# KiCad board vme-wren.kicad_pcb (continued)
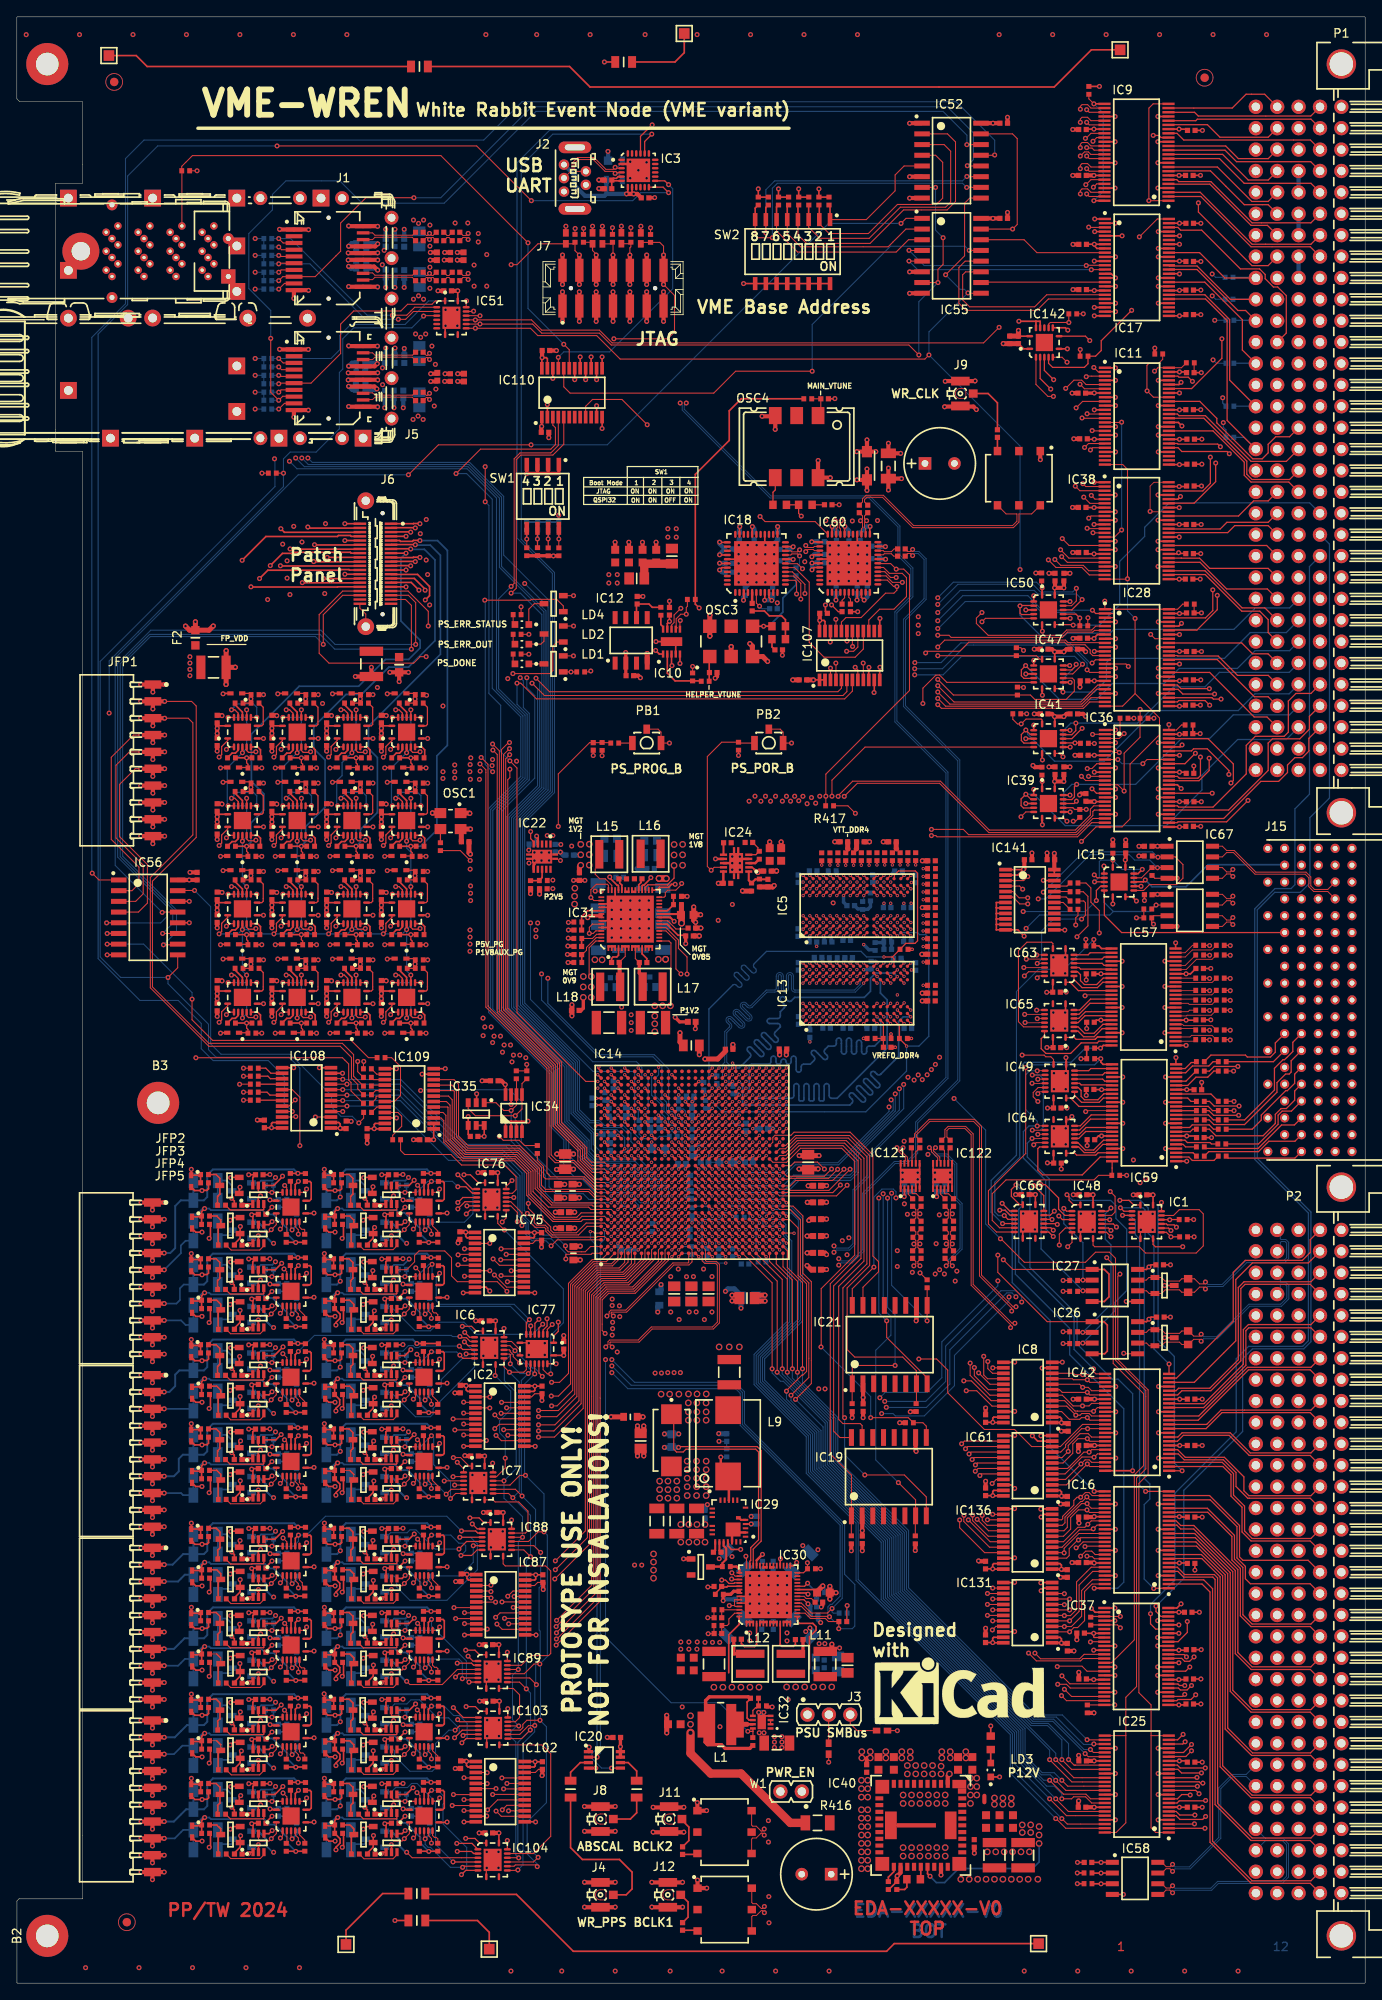
[diagram p0: board, top side]
## Routing (per net, layer and track width the routed paths; a pad name or vN(x,y) marks a point on that pad's centre or on a via; arc(x,y) is an arc through that point) (continued)
  Top Layer w0.3: IC24.8 IC24.11 85.92,133.49 IC24.4 ; C165.1 90.92,158.3 90.92,157.68 v2(90.92,157.67) ; IC20.4 v2(68.76,25.54) ; IC29.2 85.42,53.51 IC29.26 84.94,53.74 IC29.23 ; IC22.6 61.38,132.75 61.46,132.83 61.46,133.08 62.13,133.75 IC22.11 ; 88.83,167.57 88.33,168.07 v2(87.83,168.57) 88.83,169.57 ; IC3.2 73.06,215.99 v2(73.81,215.24) ; 96.53,39.39 95.87,39.39
  Top Layer w0.4: 93.88,96.67 C104.1 94.08,96.67 ; v1(106.25,112.17) 105.76,112.17 R115.1 ; SW1.1 64.37,179.25 63.1,179.25 ; R163.1 60.57,169.48 R160.1 ; 66.3,130.97 66.78,130.97 C340.1 66.81,130.94 67.33,130.94 ; SW1.2 63.1,179.25 ; 63.1,179.25 61.83,179.25 ; 61.83,179.25 v2(60.56,179.25) SW1.4 ; 61.83,179.25 61.83,180.34 ; C276.2 95.7,44.83 v2(95.53,44.66) ; 89.51,32.79 89.01,32.79 ; 84.11,110.77 84.19,110.68 ; R315.2 135.14,194.13 v2(135.15,194.13) ; 64.39,93.25 64.4,93.24 ; 66.13,93.24 66.14,93.25 ; R217.1 65.53,124.04 v2(65.49,124.08) ; C78.1 v2(74.35,164.65) ; v3(78.18,114.67) 78.71,114.14 C67.1 ; C148.2 75.07,211.99 75.74,211.99 v3(75.75,212) ; 66.24,85.86 66.25,85.87 ; v2(97.29,46.36) 96.56,46.36 v2(96.56,45.6) ; 65.92,115.54 C341.1 65.92,115.44 ; R194.2 103.81,112.19 v1(103.81,112.7) ; R216.1 65.47,121.19 v2(65.46,121.19) ; D10.1 80.07,50.38 v2(79.18,50.38) ; v2(65.43,123.14) 66,123.14 ; 90.57,110.75 90.58,110.74 ; v2(65.5,125.04) C288.2 ; C224.1 v1(104.32,111.12) ; C292.1 66.16,122.13 65.39,122.13 v2(65.39,122.14)
  Top Layer w0.5: C17.1 71.06,171.07 v2(71.05,171.09) ; C517.2 37.33,140.04 v2(37.37,139.99) ; C532.1 v2(23.79,125.29) ; v2(100.5,67.14) C159.2 ; v2(115.05,59.59) C376.2 115.05,58.79 ; v2(71.06,11.99) 71.04,11.96 J4.2 67.44,11.96 v2(67.41,11.99) ; C528.1 v2(36.79,125.29) ; C75.1 83.15,155.16 v2(82.94,154.94) ; 34.62,208.21 J1.1 31.23,208.21 v2(31.2,208.24) ; IC57.4 v2(137.78,125.47) 137.8,125.49 ; C15.1 75.93,171.07 v2(75.91,171.09) ; 101,26.74 100.93,26.66 C211.1 ; v2(123.95,48.19) C536.2 124.76,48.19 ; C166.2 v2(120.83,150.7) ; C141.2 v2(122.57,144.41) ; v2(24.37,139.99) 24.33,140.04 C521.2 ; v2(37.37,119) 37.33,119.04 C382.2 ; C539.2 30.83,150.54 v2(30.87,150.49) ; C529.2 43.83,129.54 v2(43.87,129.5) ; C538.1 v2(23.79,146.29) ; C380.2 43.83,119.04 v2(43.87,119) ; C63.2 v2(125.33,188.79) ; 49.93,190.17 49.16,190.17 v2(49.15,190.18) ; JFP3.6 v2(16.1,61.29) ; JFP3.6 v2(17.5,62.19) ; JFP3.6 v2(14.75,62.19) ; C18.1 72.7,171.07 v2(72.68,171.09) ; C23.1 v2(125.43,206.45) ; C350.1 v2(55.25,107.14) ; v2(110.25,190.19) 110.28,190.21 J9.2 113.78,190.21 v2(113.8,190.24) ; 124.77,56.88 C377.2 v2(123.96,56.89) ; v2(103.51,182.84) 103.5,182.82 C116.1 104.96,181.64 v2(104.96,181.64) ; C527.2 37.33,129.54 v2(37.37,129.5) ; IC19.10 106.74,63.21 v2(106.8,63.14) ; C379.2 124.86,65.54 v2(124.05,65.54) ; v2(106.03,220.83) 106.04,220.84 IC52.1 ; C323.1 113.7,15.44 v2(113.71,15.44) ; JFP1.1 v2(17.55,154.19) ; JFP1.1 14.8,154.19 ; JFP1.1 v2(16.15,153.29) ; 106.84,79.34 106.84,79.01 ; 106.84,79.34 106.84,78.67 v2(106.8,78.64) ; 106.84,79.34 IC21.10 ; v2(126.1,21.64) 126.05,21.59 C145.1 ; v2(39.4,192) 39.43,191.97 J5.17 42.49,191.97 v2(42.8,192.29) ; 78.97,129.04 v2(79.6,129.04) ; 115.04,50.09 C535.2 114.26,50.09 v2(114.21,50.14) ; C167.2 126.63,150.7 v2(126.93,150.4) ; JFP5.6 v2(14.75,21.19) ; JFP5.6 v2(17.5,21.19) ; JFP5.6 v2(16.1,20.29) ; C24.1 53.2,62.59 ; C114.1 v2(131.69,135.74) ; C139.1 v2(125.4,214.64) ; v2(34.62,193.97) J5.1 31.23,193.97 v2(31.2,194) ; v2(42.75,189.29) 42.47,189.57 J5.14 39.43,189.57 v2(39.4,189.6) ; v2(64.8,197.31) J7.1 64.8,200.81 v2(64.8,200.81) ; v2(66.8,200.81) 66.8,200.81 J7.3 v2(66.8,197.31) ; JFP1.9 v2(17.55,138.19) ; JFP1.9 v2(16.15,137.29) ; JFP1.9 14.8,138.19 ; v2(74.8,200.81) 74.8,200.81 J7.11 v2(74.8,197.31) ; v2(41.6,99.74) 41.6,100.53 ; C466.2 28.58,102.47 v2(28.56,102.49) ; v2(126.06,63.14) 126.06,63.8 C87.1 ; v2(39.4,187.2) 39.43,187.17 J5.11 42.82,187.17 ; v2(76.8,197.31) J7.13 76.8,200.81 v2(76.8,200.81) ; v2(62.51,46.74) 62.51,47.54 C429.2 ; C409.1 v2(64.95,76.89) ; v2(125.43,159.67) 125.45,159.69 C242.1 ; R265.2 v2(133.25,133.83) ; v2(30.87,139.99) 30.83,140.04 C519.2 ; JFP2.6 v2(14.75,82.69) ; JFP2.6 v2(17.5,82.69) ; JFP2.6 v2(16.1,81.79) ; v2(52.12,47.68) 52.12,47.69 C430.2 ; v2(67.41,9.04) 67.44,9.01 J4.2 71.04,9.01 v2(71.06,9.04) ; v2(63.18,183.5) 63.18,183.5 C487.2 ; v2(43.87,139.99) 43.83,140.04 C523.2 ; C526.2 125.54,39.44 v2(125.55,39.44) ; v2(75.56,17.94) 75.59,17.91 79.19,17.91 v2(79.21,17.94) ; C111.1 125.32,49.94 v2(125.31,49.94) ; C518.1 v2(36.79,135.79) ; v2(126.21,141.08) 126.37,141.24 C250.1 ; v2(70.8,197.31) J7.7 70.8,200.81 v2(70.8,200.81) ; v2(126.1,27.04) 126.13,27.01 C147.1 ; v2(125.89,40.77) 125.89,40.78 C307.2 ; C467.2 39.66,102.36 v2(39.7,102.33) ; C21.2 52.02,70.09 v2(52.02,70.08) ; v2(52.4,87.89) 52.4,88.1 C408.2 ; v2(30.87,119) 30.83,119.04 C384.2 ; C187.2 v2(125.07,167.4) ; 34.62,201.01 J1.10 32.9,200.99 v2(32.9,200.04) ; C278.2 v2(117.65,210.24) ; C431.1 v2(54.9,40.19) ; C239.2 v2(125.4,169.87) ; v2(67.41,18.04) 67.44,18.01 J8.2 71.04,18.01 v2(71.06,18.04) ; v2(67.41,20.99) 67.44,20.96 J8.2 71.04,20.96 v2(71.06,20.99) ; C110.1 126.1,54.67 v2(126.14,54.63) ; v2(90.06,184.49) 90.07,184.5 OSC4.3 89.99,186.04 v2(88.5,186.04) ; v2(74.3,171.09) 74.31,171.07 C16.1 ; C279.2 v2(20.56,131.89) ; v2(62.36,69.19) 62.36,69.97 C20.2 ; v2(115.05,42.14) 115.05,42.15 C525.2 ; C386.2 24.33,119.04 v2(24.37,119) ; C142.2 v2(125.07,144.41) ; C537.2 24.33,150.54 v2(24.37,150.49) ; v2(39.4,203.84) 39.43,203.81 J1.14 42.43,203.81 v2(42.85,203.39) ; C74.1 125.45,69.34 v2(125.44,69.34) ; C301.1 126.12,36.9 v2(126.12,36.91) ; C541.2 43.83,150.54 v2(43.87,150.49) ; C352.1 49.11,204.58 v2(49.1,204.59) ; JFP1.10 v2(17.55,136.19) ; JFP1.10 14.8,136.19 ; JFP1.10 v2(16.15,135.29) ; v2(72.8,197.31) J7.9 72.8,200.81 v2(72.8,200.81) ; v2(121.55,180.89) 121.54,180.9 TR2.1 ; C542.1 v2(43.29,146.29) ; JFP3.1 v2(14.75,72.19) ; JFP3.1 v2(16.1,71.29) ; JFP3.1 v2(17.5,72.19) ; 41.3,155.14 v2(40.2,155.14) ; v2(75.41,11.99) 75.44,11.96 J12.2 79.04,11.96 v2(79.06,11.99) ; C50.2 v2(125.43,201.08) ; C544.1 v2(36.79,146.29) ; C547.2 v2(120.55,134.19) ; 133.29,93.6 v2(132.59,93.6) ; v2(80.81,21.44) 80.82,21.43 TR1.1 81.9,20.48 v2(81.91,20.49) ; JFP2.1 v2(17.5,92.69) ; JFP2.1 v2(16.1,91.79) ; JFP2.1 v2(14.75,92.69) ; C543.2 37.33,150.54 v2(37.37,150.49) ; v2(126.26,153.89) 126.26,154.6 C234.1 ; v2(110.18,187.16) 110.2,187.19 113.6,187.19 v2(113.95,186.84) ; C387.1 v2(23.79,114.79) ; C486.2 63.29,193.84 v2(64.08,193.84) ; v2(75.41,9.04) 75.44,9.01 J12.2 79.04,9.01 v2(79.06,9.04) ; v2(75.56,20.89) 75.59,20.86 79.19,20.86 v2(79.21,20.89) ; v2(34.62,186.77) J5.10 32.9,186.75 v2(32.9,185.94) ; C345.2 v2(50.01,200.93) ; v2(68.8,197.31) J7.5 68.8,200.81 v2(68.8,200.81) ; JFP5.1 v2(16.1,30.29) ; JFP5.1 v2(14.75,31.19) ; JFP5.1 v2(17.5,31.19) ; v2(39.4,208.64) 39.43,208.61 J1.20 42.82,208.61 ; C534.1 v2(30.29,125.29) ; v2(42.85,206.51) 42.56,206.21 J1.17 39.43,206.21 v2(39.4,206.24) ; C6.1 52.36,191.09 v2(52.35,191.08) ; IC67.4 137.78,131.18 v2(137.8,131.2) ; 62.41,24.74 62.41,24.68 v2(62.37,24.65) 62.41,24.69 C457.2 ; v2(39.4,201.44) 39.43,201.41 J1.11 42.82,201.41 ; C407.2 62.31,88.2 v2(62.31,87.39) ; v2(39.4,194.4) 39.43,194.37 J5.20 v2(42.82,194.37) ; JFP4.1 v2(16.1,50.79) ; JFP4.1 v2(14.75,51.69) ; JFP4.1 v2(17.5,51.69) ; C14.1 v2(54.5,78.64) ; 58.69,104.35 v2(58.7,104.34) ; IC55.8 106.04,200.65 v2(106.03,200.64) ; C458.2 52.07,25.49 v2(52.06,25.49) ; C428.1 v2(55.4,55.89) ; IC55.6 106.04,203.19 v2(106.03,203.18) ; C217.1 v2(125.46,93.61) ; 114.9,21.49 114.9,22.24 ; C385.1 v2(30.29,114.79) ; v2(80.83,12.24) 80.84,12.23 TR3.1 81.92,11.28 v2(81.93,11.29) ; IC52.8 106.04,211.95 v2(106.03,211.94) ; C522.1 v2(23.79,135.79) ; C77.1 73.8,155.24 v2(74.05,154.99) ; C346.1 52.31,204.58 v2(52.3,204.59) ; v2(70.11,29.19) 70.13,29.17 C268.1 ; C168.2 126.63,158.39 v2(126.93,158.09) ; C520.1 v2(30.29,135.79) ; C173.2 v2(120.83,158.39) ; C277.2 v2(117.65,221.54) ; C237.1 v2(125.37,175.22) ; C489.2 v2(47.1,100.14) ; v2(115.05,68.29) C378.2 115.05,67.49 ; C354.2 v2(50.75,204.59) ; C383.1 v2(36.79,114.79) ; v2(30.87,129.5) 30.83,129.54 C533.2 ; C391.1 v2(118.61,93.63) ; C369.2 v2(42.1,156.24) ; C540.1 v2(30.29,146.29) ; C186.2 v2(122.57,167.4) ; 51.55,190.18 v2(50.8,190.18) ; JFP4.6 v2(14.75,41.69) ; JFP4.6 v2(17.5,41.69) ; JFP4.6 v2(16.1,40.79) ; C459.1 v2(54.9,17.84) ; C381.1 v2(43.29,114.79) ; C406.1 v2(54.76,96.23) ; v2(106.03,214.48) 106.04,214.49 IC52.6 ; C546.2 v2(122.35,134.19) ; 126.23,183.36 v2(125.53,183.36) ; C531.2 24.33,129.54 v2(24.37,129.5) ; C392.1 v2(133.26,134.99) ; 126.33,145.79 125.67,145.79 v2(125.66,145.79) ; C456.1 v2(54.95,33.49) ; C524.1 v2(43.29,135.79) ; 127.13,32.09 127.92,32.09 v2(127.92,32.09) ; C530.1 v2(43.29,125.29) ; C158.2 v2(100.4,51.34) ; C138.1 v2(125.4,220.09)
  Top Layer w0.6: v2(70.56,67.24) C40.1 ; C548.2 C549.2 117.16,194.66 v2(117.15,194.67) ; v2(24.84,154.2) 24.85,154.21 C545.2 ; C281.2 96.54,46.36 v2(97.29,46.36) ; C281.2 96.56,46.35 v2(96.56,45.6) ; C281.2 96.56,46.38 v2(96.56,47.11) ; OSC1.2 49.37,138.93 v2(49.35,138.94) ; 84.19,110.68 83.24,109.73 v2(81.72,109.73) ; v3(96.16,90.73) 95.51,90.73 C106.1 ; v2(66.11,96.65) C34.1 65.09,96.61 v2(64.1,96.61) ; 65.92,115.44 65.92,114.98 ; v3(81.21,126.86) 80.43,126.86 80.36,126.92 80.39,126.95 v3(80.39,127.77) ; C133.1 v3(89.41,135.51) ; v3(107.53,116.63) C146.1 ; R64.1 v3(61.01,129.36) ; C53.2 69.13,213.06 ; v3(95.16,96.68) 94.09,96.68 C104.1 93.88,96.67 v3(92.89,96.67) ; C214.1 v3(62.08,129.33) 62.06,129.35 ; C545.2 25.93,156.23 v2(25.94,156.25) ; C545.2 24.85,158.2 v2(24.86,158.21) ; v2(66.25,91.54) C29.1 ; C465.2 v2(92.15,154.74) ; v2(96.79,40.24) 96.79,39.66 96.53,39.39 ; v3(107.53,127.71) C112.1 ; v3(96.16,84.73) 95.51,84.73 C46.1 ; v3(90.23,132.05) 90.22,132.04 C135.1 ; 74.01,214.24 74.01,214.88 ; v2(77.18,29.71) v2(77.18,31.8) ; v2(81.05,124.34) 80.42,124.34 ; v3(107.48,122.16) 108.12,122.16 ; 95.51,86.69 95.97,86.69 v3(96.16,86.5) ; v2(88.85,81.69) 87.97,81.69 C83.1 87.96,80.99 v2(88.85,80.99) ; 66.14,93.25 v2(66.81,93.25) ; v3(107.53,117.55) C131.1 ; v2(73.71,62.6) 73.71,63.2 73.99,63.48 C81.1 74.18,63.48 74.45,63.2 v2(74.45,62.6) ; C128.1 v3(101.27,135.52) ; L2.2 78.75,111.74 v2(78.75,112.84) ; v2(89.16,156.94) 88.59,157.51 OSC3.3 87.35,157.54 87.35,158.75 v2(87.05,159.04) ; v3(96.16,92.73) 95.51,92.73 C58.1 ; v2(90.58,110.23) 90.58,110.74 ; v3(89.94,130.33) 89.77,130.16 R127.1 ; v2(53.87,134.04) 53.7,134.22 C118.1 ; v3(107.54,133.26) C113.1 ; C45.1 95.51,88.73 v3(96.16,88.73) ; 80.39,126.86 80.39,126.19 v2(80.62,125.96) ; C52.2 69.12,214.09 ; 64.4,93.24 v2(65.06,93.24) ; v3(96.16,94.69) 95.52,94.69 C137.1 ; C134.1 v3(90.77,135.51) ; 66.25,85.87 v2(66.91,85.87) ; v3(97.13,135.52) C127.1 ; v2(81.23,125.27) 80.62,125.27 C290.2 ; v3(102.89,135.52) C130.1 ; IC12.4 v2(74.86,157.88) ; 65.92,116.04 65.92,115.54 ; v2(66.25,89.64) C26.1
  Bottom Layer w0.125: C39.1 78.59,97.22 v1(78.59,96.66) ; C49.1 85.76,86.29 v1(85.79,86.26) ; R21.1 75.54,90.26 v1(76.19,90.26) ; v2(90.31,163.89) 90.3,163.88 C66.1 ; v1(73.79,103.86) 73.8,103.85 73.8,102.54 C48.1 ; v1(81.79,96.66) 81.22,97.23 C32.1 ; v1(80.99,98.26) 80.93,98.2 C84.1 ; C344.1 83.38,86.26 v1(84.19,86.26) ; v1(82.59,86.26) 82.03,86.26 C31.1
  Bottom Layer w0.2: T55.2 43.98,26.44 v2(44.49,26.44) ; v2(28.68,58.54) 28.17,58.54 T47.2 ; v2(46.1,29.83) 46.11,29.84 C508.2 ; v2(28.94,73.28) 28.58,72.92 T15.2 ; v2(44.75,21.18) 44.39,20.82 T37.2 ; v2(44.49,36.74) 43.98,36.74 T51.2 ; C496.2 30.31,19.84 v2(30.3,19.83) ; R22.1 88.98,85.65 v1(88.98,86.27) ; T43.2 43.97,78.74 v2(44.48,78.74) ; v2(30.3,50.13) 30.31,50.14 C446.2 ; v2(30.29,92.13) 30.3,92.14 C176.2 ; v2(44.74,73.28) 44.38,72.92 T19.2 ; v2(44.75,31.18) 44.39,30.82 T39.2 ; v2(30.29,61.93) 30.3,61.94 C423.2 ; v2(44.49,46.74) 43.98,46.74 T48.2 ; T23.2 44.39,51.12 v2(44.75,51.48) ; v2(28.68,78.74) 28.17,78.74 T42.2 ; v2(44.74,93.48) 44.38,93.12 43.66,93.12 ; v2(28.69,36.74) 28.18,36.74 T49.2 ; C433.2 46.11,50.14 v2(46.1,50.13) ; 27.86,93.12 28.58,93.12 v2(28.94,93.48) ; v2(44.48,88.74) 43.97,88.74 T40.2 ; C47.2 46.1,92.14 v2(46.09,92.13) ; T21.2 28.58,62.92 v2(28.94,63.28) ; v2(44.48,58.54) 43.97,58.54 T44.2 ; v2(30.29,71.93) 30.3,71.94 C411.2 ; v2(28.69,46.74) 28.18,46.74 T50.2 ; v2(28.69,26.44) 28.18,26.44 T52.2 ; C460.2 30.31,29.84 v2(30.3,29.83) ; C450.2 46.11,40.14 v2(46.1,40.13) ; v2(30.3,40.13) 30.31,40.14 C439.2 ; C400.2 46.1,61.94 v2(46.09,61.93) ; v2(28.95,21.18) 28.59,20.82 T35.2 ; v2(28.95,51.48) 28.59,51.12 T27.2 ; C395.2 46.1,82.14 v2(46.09,82.13) ; T45.2 28.17,68.54 v2(28.68,68.54) ; T53.2 28.18,16.44 v2(28.69,16.44) ; T25.2 28.59,41.12 v2(28.95,41.48) ; v2(44.74,83.48) 44.38,83.12 43.66,83.12 ; 76.13,79.7 v2(76.11,79.69) ; T31.2 28.59,30.82 v2(28.95,31.18) ; T41.2 28.17,88.74 v2(28.68,88.74) ; T13.2 44.38,62.92 v2(44.74,63.28) ; C418.2 46.1,71.94 v2(46.09,71.93) ; T46.2 43.97,68.54 v2(44.48,68.54) ; v2(28.94,83.48) 28.58,83.12 27.86,83.12 ; T29.2 44.39,41.12 v2(44.75,41.48) ; v2(30.29,82.13) 30.3,82.14 C207.2 ; C500.2 46.11,19.84 v2(46.1,19.83) ; T54.2 43.98,16.44 v2(44.49,16.44)
  Bottom Layer w0.4: C93.1 80.31,105.21 80.31,104.77 v1(80.2,104.66) 80.19,104.65 C82.1 ; C179.1 103.78,127.74 v1(103.78,128.22) ; 81.47,107.05 81.01,107.05 v1(80.99,107.06) ; C195.1 99.13,121.65 99.13,121.3 v1(98.96,121.14) ; v1(93.36,120.34) 92.86,120.34 C203.1 ; R23.1 96.54,121.7 96.54,121.16 v1(96.56,121.14) ; v1(93.38,130.74) 92.85,130.74 C174.1 ; v1(96.58,124.34) 96.72,124.2 96.72,123.71 C201.1 ; R34.1 96.45,131.98 96.45,131.66 v1(96.58,131.54) ; v1(103.78,124.34) 103.79,124.33 103.79,123.73 R195.2 103.88,123.6 C225.1 ; v1(106.24,120.3) 106.71,120.3 C182.1 ; v1(69.79,103.06) 70.22,103.06 C19.1 70.59,102.69 v1(70.59,102.26) ; C194.1 92.82,125.14 v1(93.38,125.14) ; C178.1 v1(106.21,128.22) ; C204.1 92.84,114.74 v1(93.36,114.74) ; v1(80.99,98.26) 80.25,98.26 C84.1 ; C150.1 94.98,123.6 v1(94.98,123.1) ; C181.1 101.69,130.74 v1(102.18,130.74) ; C101.1 76.25,102.45 76.25,103 v1(76.19,103.06) ; C175.1 101.37,120.34 v1(100.56,120.34) ; C343.1 79.44,89.51 v1(79.39,89.46) ; C185.1 100.86,113.46 100.86,113.64 v1(100.56,113.94) ; v1(94.96,121.14) 94.82,121.28 94.82,121.67 C202.1 ; C200.1 98.98,123.84 v1(98.98,124.34) ; v1(68.87,100.76) 69.55,100.76 C105.1 ; v1(96.56,113.94) 96.56,113.44 C184.1 ; C86.1 79.9,94.21 79.44,94.21 v1(79.39,94.26) ; v1(69.79,106.26) 69.79,105.78 C25.1 ; C155.1 104,121.58 104,121.38 v1(103.76,121.14) ; C205.1 98.96,113.44 v1(98.96,113.94) ; v1(71.39,107.06) 70.88,107.06 C342.1 ; C180.1 94.98,132.02 v1(94.98,131.54) ; C183.1 106.17,113.45 106.17,113.92 v1(106.16,113.94) ; C157.1 68.34,105.06 v1(68.82,105.06) ; v1(81.79,96.66) 81.38,97.08 81.38,97.31 C32.1 ; C153.1 103.78,131.58 v1(103.78,131.54) ; v1(72.19,102.26) 72.19,102.83 R11.1 72.42,103.06 v1(72.99,103.06) ; C199.1 106.18,123.7 v1(106.18,124.34) ; v1(94.18,111.76) C156.1 ; v1(106.24,130.69) 106.71,130.69 C198.1 ; v1(78.59,96.66) 78.59,97.22 C39.1 ; 82.64,107.82 83.02,107.82 C94.1 ; C41.1 87.4,98.25 v1(87.39,98.26) ; 85.66,105.59 v1(85.79,105.46) ; 85.66,105.59 84.99,105.59 85.66,105.59 ; C108.1 70.34,99.86 v1(69.79,99.86) ; 75.34,101.36 75.37,101.36 75.37,100.68 v1(75.39,100.66) ; C107.1 72.74,87.06 v1(73.79,87.06) ; v1(80.19,99.86) C96.1 ; R1.1 82.59,103.86
  Bottom Layer w0.5: C363.2 v2(44.9,201.34) ; C490.1 v2(106.99,95.44) 107.04,95.44 ; v2(39.4,189.6) 39.82,189.18 C4.1 ; v2(89.95,166.32) 89.76,166.14 C262.1 ; C355.1 v2(46,201.34) ; C274.1 110.79,95.44 v2(110.84,95.44) ; C359.1 39.66,203.58 v2(39.4,203.84) ; v2(95.46,42.81) 95.14,43.14 C348.1 ; v2(39.4,192) 39.79,192.39 C103.2 ; 45.89,188.19 v2(45.89,187.05) ; C358.1 39.76,206.6 v2(39.4,206.24) ; IC4.1 70.22,217.48 v2(70.2,217.49) ; v3(60.8,134.53) 60.83,134.57 C220.1 ; v2(99.89,170.7) 100.15,170.96 C264.1 ; C361.1 42.66,203.58 v2(42.85,203.39) ; v2(86.78,166.32) 86.78,165.96 C267.1 ; C257.1 97.3,166.2 v2(97.58,166.48) ; v2(85.72,167.35) 85.54,167.54 C151.1 ; C259.1 96.55,169.64 v2(96.56,169.64) ; v2(42.8,192.29) 42.68,192.41 C10.1 ; C149.1 85.7,168.59 v2(85.72,168.57) ; v2(96.56,168.58) 96.5,168.64 C263.1 ; C491.2 105.44,95.24 105.24,95.44 ; C213.1 64.54,134.31 v3(64.56,134.29) ; v2(85.75,170.74) 85.75,171.32 C152.1 ; C258.1 99.8,166.39 v2(99.89,166.48) ; C356.1 v2(46,208.24) ; C362.1 v2(43.8,208.24) ; 43.8,202.48 v2(43.8,201.34) ; C360.1 42.76,206.6 v2(42.85,206.51) ; 44.91,193.28 v2(44.91,194.14) ; C115.1 90.51,170.24 v2(89.94,169.66) ; C256.1 101,166.42 v2(100.98,166.45) ; C68.1 89.97,170.99 v2(89.97,170.74) ; v2(42.75,189.29) 42.64,189.18 C3.1 ; 44.79,188.2 v2(44.79,187.05) ; v2(109.04,95.44) 109.24,95.24 C297.2 ; v2(97.58,170.7) 97.34,170.95 C123.1 ; C121.1 96.11,171.14 v2(96.56,170.69) ; C9.1 v2(46.01,194.09) ; C218.1 85.09,170.29 v2(85.72,169.66) ; C129.1 101.03,170.62 v2(100.98,170.67) ; v2(98.8,170.7) 98.82,170.72 C122.1 ; 43.81,193.29 v2(43.81,194.14) ; C5.2 v2(43.69,187.05) ; v2(89.94,168.57) 90.26,168.89 C261.1 ; v2(100.98,169.61) 101.45,169.14 C255.1 ; C364.2 v2(44.9,208.24) ; C69.1 87.56,171.04 v2(87.86,170.74)
  Bottom Layer w0.6: v2(88.1,32.14) v2(88.71,32.14) ; v2(76.11,79.69) 76.11,80.3 C42.1 ; v2(87.21,55.41) 87.23,55.43 C275.2 ; v2(88.85,81.69) 88.1,81.69 C44.1 88.2,80.99 v2(88.85,80.99) ; C80.1 v1(89.79,101.46) ; C311.2 73.65,132.35 ; v2(82.01,56.82) 81.73,56.54 C171.2 ; C231.2 64.91,133.94 v3(64.56,134.29) ; v2(78.58,63.61) v2(76.9,63.61)
  vias: v1(68.74,101.77) v1(68.99,107.86) v1(69.13,108.8) v1(69.79,107.06) v1(69.79,87.06) v1(70.59,108.66) v1(70.59,107.86) v1(70.59,105.46) v1(70.59,93.46) v1(70.59,89.46) v1(71.39,103.06) v1(71.39,95.86) v1(71.39,91.86) v1(72.19,108.66) v1(72.19,107.86) v1(72.19,105.46) v1(72.99,107.06) v1(72.99,106.26) v1(72.99,101.46) v1(72.99,99.06) v1(72.99,92.66) v1(72.99,88.66) v1(73.79,108.66) v1(73.79,107.86) v1(73.79,105.46) v1(73.79,104.66) v1(73.79,95.06) v1(73.79,91.06) v1(74.59,106.26) v1(74.59,98.26) v1(74.59,93.46) v1(75.39,104.66) v1(75.39,95.86) v1(75.39,91.86) v1(76.19,107.06) v1(76.19,99.06) v1(76.19,94.26) v1(76.99,105.46) v1(76.99,92.66) v1(77.79,107.86) v1(77.79,103.86) v1(77.79,91.06) v1(77.79,89.46) v1(77.79,88.66) v1(77.79,87.86) v1(77.79,87.06) v1(77.79,86.26) v1(78.59,106.26) v1(78.59,102.26) v1(78.59,99.86) v1(78.59,95.06) v1(78.59,93.46) v1(78.59,89.46) v1(79.39,91.86) v1(79.39,87.86) v1(80.99,103.06) v1(80.99,89.46) v1(80.99,87.06) v1(80.99,86.26) v1(81.79,101.46) v1(81.79,93.46) v1(81.79,92.66) v1(81.79,89.46) v1(81.79,87.86) v1(82.59,107.86) v1(82.59,103.86) v1(82.59,103.06) v1(82.59,99.86) v1(82.59,95.86) v1(82.59,95.06) v1(82.59,94.26) v1(82.59,90.26) v1(82.59,87.06) v1(83.39,103.06) v1(83.39,102.26) v1(83.39,98.26) v1(83.39,95.86) v1(83.39,91.06) v1(83.39,87.86) v1(84.19,104.66) v1(84.19,103.06) v1(84.19,100.66) v1(84.19,91.06) v1(84.19,90.26) v1(84.19,87.06) v1(84.99,103.06) v1(84.99,100.66) v1(84.99,99.06) v1(84.99,94.26) v1(84.99,91.06) v1(84.99,87.86) v1(85.79,101.46) v1(85.79,92.66) v1(85.79,90.26) v1(85.79,89.46) v1(85.79,88.66) v1(85.79,87.86) v1(85.79,87.06) v1(86.59,107.86) v1(86.59,95.06) v1(87.39,106.26) v1(87.39,102.26) v1(88.19,100.66) v1(88.19,87.86) v1(88.99,107.06) v1(88.99,103.06) v1(88.99,94.26) v1(88.99,90.26) v1(89.79,96.66) v1(89.79,92.66) v1(89.79,88.66) v1(90.59,107.86) v1(90.59,103.86) v1(90.59,90.26) v1(90.59,87.06) v1(93.38,125.94) v1(93.36,115.54) v1(94.18,130.74) v1(94.18,125.94) v1(94.16,120.34) v1(94.16,115.54) v1(94.98,130.74) v1(94.98,125.94) v1(94.96,120.34) v1(94.96,115.54) v1(95.78,130.74) v1(95.78,125.94) v1(95.76,120.34) v1(95.76,115.54) v1(96.58,130.74) v1(96.58,125.94) v1(96.56,120.34) v1(96.56,115.54) v1(97.38,130.74) v1(97.38,125.94) v1(97.36,120.34) v1(97.36,115.54) v1(98.18,130.74) v1(98.18,125.94) v1(98.16,120.34) v1(98.16,115.54) v1(98.98,130.74) v1(98.98,125.94) v1(98.96,120.34) v1(98.96,115.54) v1(99.78,130.74) v1(99.78,125.94) v1(99.76,120.34) v1(99.76,115.54) v1(100.58,130.74) v1(100.58,125.94) v1(100.56,115.54) v1(102.18,125.94) v1(102.98,130.74) v1(102.98,125.94) v1(103.78,130.74) v1(103.78,125.94) v1(104.58,125.94) v1(105.38,125.94) v2(14.71,154.19) v2(14.71,138.19) v2(14.71,136.19) v2(29.78,164.28) v2(31.57,170.86) v2(32.09,168.88) v2(32.09,166.82) v2(32.43,164.87) v2(32.88,172.97) v2(33.86,171.11) v2(34.64,208.19) v2(34.64,200.99) v2(36.56,164.99) v2(36.65,173.29) v2(42.84,208.59) v2(42.84,201.39) v2(42.84,187.15) v2(47.91,172.1) v2(48.62,173.78) v2(48.61,168.97) v2(48.78,167.25) v2(49.05,208.74) v2(49.05,206.24) v2(49.05,203.74) v2(49.02,163.64) v2(49.29,194.37) v2(49.57,187.26) v2(49.7,192.2) v2(49.76,189.27) v2(50.91,198.69) v2(50.91,196.79) v2(52.05,208.99) v2(52.31,198.69) v2(52.31,196.79) v2(53.55,208.99) v2(54.1,60.34) v2(54.1,58.44) v2(54.3,203.99) v2(54.3,201.49) v2(54.8,207.74) v2(54.8,206.74) v2(55.36,114.58) v2(55.37,112.5) v2(55.4,76.39) v2(55.4,74.49) v2(55.5,60.34) v2(55.5,58.44) v2(55.66,93.98) v2(55.66,92.08) v2(55.8,205.24) v2(55.8,201.49) v2(55.8,37.94) v2(55.8,36.04) v2(55.8,15.59) v2(55.8,13.69) v2(55.85,31.24) v2(55.85,29.34) v2(56.3,53.64) v2(56.3,51.74) v2(56.5,111.68) v2(56.8,76.39) v2(56.8,74.49) v2(57.06,93.98) v2(57.06,92.08) v2(57.2,37.94) v2(57.2,36.04) v2(57.2,15.59) v2(57.2,13.69) v2(57.25,31.24) v2(57.25,29.34) v2(57.67,110.54) v2(57.7,53.64) v2(57.7,51.74) v2(58.8,109.39) v2(60.44,109.88) v2(60.8,75.99) v2(60.8,74.59) v2(62.7,75.99) v2(62.7,74.59) v2(63.72,169.46) v2(65.89,135.01) v2(65.92,116.17) v2(65.92,114.84) v2(66.11,130.94) v2(67.46,130.94) v2(70.65,127.44) v2(70.65,126.34) v2(70.65,125.24) v2(70.65,124.14) v2(70.7,76.94) v2(71.3,74.94) v2(71.56,80.42) v2(71.6,79.14) v2(71.75,128.54) v2(71.75,127.45) v2(71.75,126.34) v2(71.75,125.24) v2(71.75,124.14) v2(72.84,216.26) v2(72.84,214.31) v2(72.85,128.54) v2(72.85,127.44) v2(72.85,125.24) v2(72.85,124.14) v2(73.95,128.54) v2(73.95,127.44) v2(73.95,126.34) v2(73.95,125.24) v2(73.95,124.14) v2(74.79,216.19) v2(74.79,214.3) v2(75.05,128.54) v2(75.05,127.44) v2(75.05,126.34) v2(75.05,125.24) v2(75.05,124.14) v2(77.65,79.69) v2(78.65,78.79) v2(78.85,40.51) v2(78.85,39.66) v2(79.81,40.51) v2(79.81,39.66) v2(79.85,79.69) v2(80.68,79.7) v2(80.8,40.51) v2(80.77,39.66) v2(81.65,78.79) v2(81.73,40.47) v2(82.55,79.69) v2(82.62,40.46) v2(83.29,126.19) v2(83.47,40.46) v2(83.5,30.45) v2(84.96,133.76) v2(84.96,132.98) v2(84.96,132.2) v2(84.98,128.07) v2(85.73,166.32) v2(85.87,133.76) v2(85.87,132.98) v2(85.87,132.2) v2(86.8,170.74) v2(86.77,169.66) v2(86.77,168.57) v2(86.78,167.35) v2(87.07,48.37) v2(87.06,47.26) v2(87.06,46.16) v2(87.06,45.06) v2(87.06,43.96) v2(87.83,169.66) v2(87.83,167.35) v2(87.84,166.32) v2(88.16,48.36) v2(88.14,47.25) v2(88.15,46.16) v2(88.16,45.06) v2(88.16,43.96) v2(88.17,29.73) v2(88.73,29.73) v2(88.88,169.66) v2(88.88,168.57) v2(88.89,167.35) v2(88.89,166.32) v2(89.26,48.36) v2(89.26,47.26) v2(89.26,45.06) v2(89.26,43.96) v2(89.25,19.3) v2(89.26,16.75) v2(89.3,10.28) v2(89.32,7.17) v2(89.7,32.79) v2(89.94,167.35) v2(89.97,29.26) v2(89.97,28.62) v2(89.97,27.98) v2(90.36,48.36) v2(90.36,47.26) v2(90.36,46.16) v2(90.36,45.06) v2(90.36,43.96) v2(91.46,48.36) v2(91.46,47.26) v2(91.46,46.16) v2(91.46,45.06) v2(91.46,43.96) v2(91.6,33.66) v2(92.94,171.81) v2(93.57,168.77) v2(95.28,40.31) v2(95.96,40.31) v2(96.06,173.65) v2(96.56,167.53) v2(96.56,166.47) v2(96.95,128.26) v2(97.58,169.64) v2(97.58,168.59) v2(97.58,167.53) v2(97.71,39.8) v2(98.8,169.64) v2(98.8,167.53) v2(98.8,166.48) v2(99.22,173.61) v2(99.89,168.59) v2(99.89,167.54) v2(100.98,168.56) v2(100.98,167.5) v2(102.21,173.66) v2(104.56,86.97) v2(104.56,85.09) v2(105.19,96.24) v2(105.19,95.44) v2(105.37,99.96) v2(105.4,92.53) v2(105.76,91.29) v2(106.35,84.4) v2(106.99,96.24) v2(108.2,98.4) v2(109.04,96.24) v2(109.17,87.8) v2(109.55,91.22) v2(110.84,96.24) v2(111.63,84.54) v2(119.51,91.39) v2(120.91,91.39) v2(120.91,89.49) v2(123.1,121.79) v2(123.1,119.89) v2(123.1,115.24) v2(123.1,113.34) v2(123.17,108.04) v2(123.17,106.14) v2(123.17,101.49) v2(123.17,99.59) v2(124.5,121.79) v2(124.5,119.89) v2(124.5,115.24) v2(124.5,113.34) v2(124.57,108.04) v2(124.57,106.14) v2(124.57,101.49) v2(124.57,99.59) v2(126.36,91.36) v2(127.76,91.36) v2(127.76,89.46) v2(130.46,188.29) v2(133.49,91.35) v2(133.49,89.45) v2(134.89,91.35) v2(134.89,89.45) v3(60.82,132.99) v3(61.47,134.25) v3(61.47,133.29) v3(62.3,134.25) v3(62.31,133.29) v3(63.21,134.25) v3(63.21,133.29) v3(64.56,133.29) v3(69.12,214.1) v3(69.13,213.07) v3(71.82,115.89) v3(72.96,114.98) v3(72.97,114.04) v3(72.97,113.12) v4(76.34,59.61) v4(76.34,58.6) v4(76.34,57.58) v4(77.33,59.61) v4(77.33,58.6) v4(77.33,57.58) v4(78.38,59.61) v4(78.38,58.6) v4(78.38,57.58) v4(79.61,61.98) v4(79.61,60.97) v4(79.61,59.95) v4(79.61,58.94) v4(79.61,57.89) v4(80.73,61.98) v4(80.73,60.97) v4(80.73,59.95) v4(80.73,58.94) v4(80.73,57.89) v4(81.86,61.98) v4(81.86,60.97) v4(81.86,59.95) v4(81.86,58.94) v4(81.86,57.89) v4(83.4,75.54) v4(84.6,75.54) v4(85.8,75.54) v4(100.3,20.59) v4(100.3,19.59) v4(100.3,18.59) v4(100.3,17.59) v4(100.3,16.59) v4(100.3,15.59) v4(100.3,14.59) v4(100.3,13.59) v4(100.35,27.49) v4(100.35,26.74) v4(101.05,20.59) v4(101.05,19.59) v4(101.05,18.59) v4(101.05,17.59) v4(101.05,16.59) v4(101.05,15.59) v4(101.05,14.59) v4(101.05,13.59) v4(101.35,27.49) v4(101.35,26.74) v4(103.2,27.49) v4(103.2,26.74) v4(105.1,27.49) v4(105.1,26.74) v4(105.25,16.09) v4(105.25,15.09) v4(106.1,27.49) v4(106.1,26.74) v4(106.25,16.09) v4(106.25,15.09) v4(107.25,16.09) v4(107.25,15.09) v4(108.25,16.09) v4(108.25,15.09) v4(109.25,16.09) v4(109.25,15.09) v4(109.85,27.49) v4(109.85,26.74) v4(110.25,16.09) v4(110.25,15.09) v4(110.85,27.49) v4(110.85,26.74) v4(112.1,12.34) v4(112.7,27.49) v4(112.7,26.74) v4(113.1,12.34) v4(114.1,12.34) v4(115.1,12.34) v4(116.1,21.99) v4(116.1,21.24) v4(116.1,12.34) v4(117.1,21.99) v4(117.1,21.24) v4(117.1,12.34) v4(118.1,21.99) v4(118.1,21.24) v4(118.1,12.34) v4(119.1,12.34) v4(120.1,12.34) v4(121.25,12.34)
